# Altium PCB NASCO Alarm Interface.PcbDoc (continued)
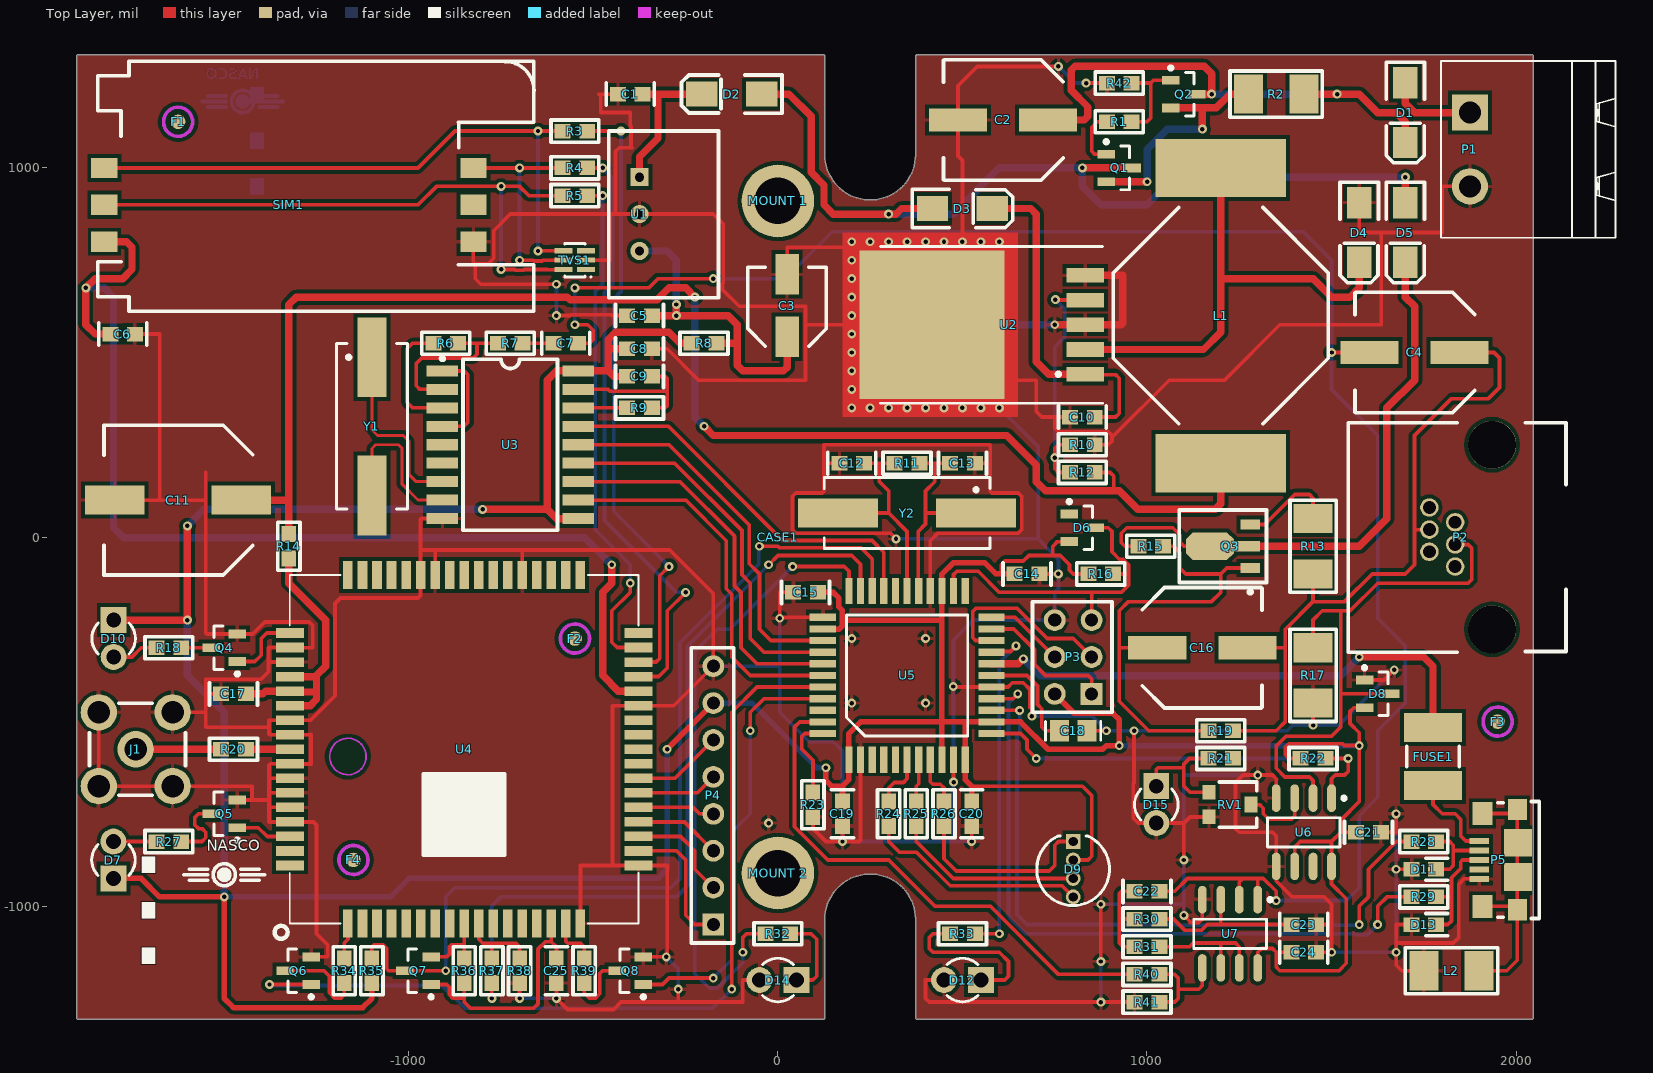
[diagram p0: Top Layer view]
## Nets (pads, with @x,y where several pads share a name; then routed paths per layer and width w, separated by ;. In a path a pad name is that pad's centre, name@x,y a point inside that pad or via, vN(x,y) a via of type N, cw(c..) or ccw(c..) an arc to the next point about the centre after c; other vN are vias at no path point)
4V: C11.1 L1.2 R12.2 R14.1 | length 3976.9
  Top Layer w10: R12.2 900,175 910,165 910,125
  Top Layer w20: C11.1 -1325,100 ; R14.1 -1325,100 ; v1(-225,650) -250,675 -295,675 -327,643 -563.25,643 -570.25,650 -1305,650 -1325,630 -1325,100 ; v1(-200,300) -175,275 620,275 700,195 700,150 725,125 910,125 925,125 975,75 1185,75 1200,90 L1.2
  Bottom Layer w20: v1(-225,650) -225,325 v1(-200,300)
5V: C8.1 C9.1 C14.1 C15.1 C19.1 C20.1 C21.1 C24.1 D6.2 D7.1 D8.2 D9.2 D10.1 P3.2 P4.7 R8.2 R16.2 R22.2 R35.2 U3.10 U3.18 U5.2 U5.14 U5.24 U5.34 U5.42 U5.44 U6.6 U6.8 U7.8 | length 12642.1
  Top Layer w10: 525,-675 825,-675 850,-700 850,-865 840,-875 D9.2 ; 605,-100 605,-75 615,-65 665,-65 680,-50 745,-50 ; D6.2 757.6,-12.4 745,-25 745,-50 ; R16.2 800,-100 790,-90 790,-75 765,-50 745,-50 ; U7.8 1300,-1125 1310,-1115 1340,-1115 1350,-1125 ; C24.1 1350,-1125 ; U6.6 1400,-840 1415,-825 1500,-825 ; R22.2 1385,-600 1375,-590 1375,-570 1385,-560 1530,-560 1535,-565 v1(1575,-565) ; C21.1 1525,-800 ; D8.2 1560,-462.4 1550,-472.4 1550,-505 1575,-530 v1(1575,-565) ; 1350,-1125 1350,-1165 1360,-1175 1520,-1175 1540,-1155 1540,-980 1500,-940 U6.8 1500,-825 ; 1500,-825 1525,-800 ; 1525,-800 1526.81,-798.19 1526.81,-765 1575,-716.81 v1(1575,-565)
  Top Layer w15: D7.1 -1800.22,-925 -1725,-925 -1675,-975 v1(-1500,-975) -1500,-1250 -1475,-1275 -1125,-1275 -1100,-1250 R35.2 ; v1(-300,-575) P4.7 ; C15.1 150,-150 165.18,-165.18 165.18,-189.34 174.58,-198.74 174.58,-225 ; U5.24 122.63,-250 165,-250 174.58,-240.42 174.58,-225 ; v1(130,-625) 130,-660 145,-675 175,-675 ; C19.1 175,-675 ; U5.42 444.49,-500.98 ; C20.1 525,-675 507.48,-657.48 U5.44 507.48,-504.92 511.42,-500.98 ; C14.1 605,-100 590.77,-100 560.77,-70 475,-70 444.49,-100.51 U5.14 444.49,-225.51 ; P3.2 802.97,-477.97 907.97,-477.97 925,-495 v1(925,-565) 890,-565 880,-575 731.82,-575 657.8,-500.98 U5.2 511.42,-500.98 ; 174.58,-225 443.98,-225 444.49,-225.51 ; 175,-675 192.52,-657.48 U5.34 192.52,-532.48 224.02,-500.98 444.49,-500.98 ; 444.49,-500.98 444.49,-225.51 ; 444.49,-500.98 511.42,-500.98
  Top Layer w20: v1(-1600,30) v1(-1600,-225) ; v2(-800,75) -625,75 ; U3.10 -600,50 -625,75 ; C9.1 -445,435 -460,450 ; C8.1 -460,510 ; R8.2 -265,525 -295,555 -440,555 -460,535 -460,510 ; v1(-1600,-225) D10.1 D10.1 -1600.06,-224.94 v1(-1600,-225) ; -625,75 -625,425 -600,450 U3.18 -460,450 ; -460,450 -460,510
  Bottom Layer w15: v1(-1500,-975) -1050,-975 -1000,-925 -325,-925 -300,-900 v1(-300,-575) ; P4.7 -70,-450 105,-625 v1(130,-625) ; v1(925,-565) v1(1575,-565)
  Bottom Layer w20: v1(-1600,-225) -1600,-375 -1500,-475 v1(-1500,-975) ; v1(-1600,30) -1555,75 v2(-800,75)
B1: D9.4 R24.2 | length 603.7
  Top Layer w10: R24.2 300,-825 329.14,-854.14 375.86,-854.14 466.72,-945 770,-945 D9.4
BLUE: R25.1 U5.40 | length 115.9
  Top Layer w10: R25.1 375,-675 381.5,-668.5 U5.40
C2: R5.2 SIM1.C2 TVS1.6 | length 1669
  Top Layer w10: SIM1.C2 -975,900 -925,950 v1(-750,950) -700,950 -675,925 R5.2 ; v1(-750,725) -713.18,725 -711.18,723 -688.82,723 -686.82,725 -625,725 -624.41,724.41 TVS1.6
  Bottom Layer w10: v1(-750,725) v1(-750,950)
C3: R3.2 SIM1.C3 TVS1.4 | length 1677.7
  Top Layer w10: SIM1.C3 -975,1000 -875,1100 v1(-650,1100) R3.2 ; v1(-650,775) -649.41,775.59 TVS1.4
  Bottom Layer w10: v1(-650,775) v1(-650,1100)
C7: R4.2 SIM1.C7 TVS1.5 | length 612.7
  Top Layer w10: SIM1.C7 v1(-700,1000) R4.2 ; v1(-700,750) -663.18,750 -661.18,748 -638.82,748 -636.82,750 TVS1.5
  Bottom Layer w10: v1(-700,750) v1(-700,1000)
D+: R29.2 U5.4 | length 1873.9
  Top Layer w10: U5.4 637.01,-437.99 v1(650,-425) ; v1(1625,-1050) 1625,-1000 1650,-975 R29.2
  Bottom Layer w10: v1(650,-425) 625,-450 625,-1025 628,-1028 628,-1031.28 671.72,-1075 1561.82,-1075 1563.82,-1077 1598,-1077 v1(1625,-1050)
D-: R28.2 U5.3 | length 1887.6
  Top Layer w10: U5.3 654.49,-469.49 v1(655,-470) ; v1(1575,-1050) 1575,-1000 1600,-975 1600,-900 1675,-825 R28.2
  Bottom Layer w10: v1(655,-470) 650,-470 655,-475 655,-531.82 648,-538.82 648,-1023 675,-1050 1086.82,-1050 1088.82,-1052 1573,-1052 v1(1575,-1050)
D?: D9.3 R25.2 | length 508
  Top Layer w10: R25.2 375,-825 475,-925 D9.3
DTMF_0: U3.11 U5.28 | length 1035.1
  Top Layer w10: U3.11 -250,100 -140,-10 -140,-140 -125,-155 -125,-325 -75,-375 U5.28
DTMF_1: U3.12 U5.27 | length 1034
  Top Layer w10: U3.12 -265,150 -117.5,2.5 -117.5,-132.5 -100,-150 -100,-300 -56.5,-343.5 U5.27
DTMF_2: U3.13 U5.26 | length 1032.8
  Top Layer w10: U3.13 -280,200 -97.5,17.5 -97.5,-102.5 -75,-125 -75,-275 -37.99,-312.01 U5.26
DTMF_3: U3.14 U5.25 | length 1031.7
  Top Layer w10: U3.14 -295,250 -77.5,32.5 -77.5,-72.5 -50,-100 -50,-250 -19.49,-280.51 U5.25
GND: C1.2 C2.2 C3.2 C5.2 C6.2 C8.2 C10.2 C11.2 C12.2 C13.2 C14.2 C15.2 C17.2 C18.2 C19.2 C20.2 C21.2 C23.2 C24.2 C25.2 D4.1 D8.1 D11.1 D12.2 D13.1 D14.2 D15.2 J1.2 L2.2 P1.2 P3.6 P4.8 P5.5 Q4.2 Q5.2 Q6.2 Q8.2 R10.1 R17.1 R23.1 R38.2 R41.1 R42.1 RV1.3 SIM1.C5 TVS1.2 U1.2 U2.3 U2.5 U2.6 U3.9 U4.17 U4.18 U4.29 U4.39 U4.45 U4.46 U4.53 U4.54 U4.58 U4.59 U4.61 U4.62 U4.63 U4.64 U4.65 U5.5 U5.15 U5.23 U5.35 U5.43 U6.4 U6.5 U7.4 | length 28632.5
  Top Layer w10: J1.2@-1840,-475 -1840,-675 -1640,-675 -1425,-675 -1425,-712.6 ; C11.2 -1675,100 ; C6.2 -1675,550 -1675,100 ; J1.2@-1640,-475 -1555,-475 ; -1550,175 -1550,100 ; C17.2 -1550,-425 ; Q5.2 -1425,-712.6 ; -1376.26,-732.48 U4.64 ; U4.63 -1375.63,-693.11 -1378.74,-690 ; U4.62 -1378.74,-653.74 ; U4.54 -1378.78,-338.78 -1380,-340 ; Q6.2 -1222.6,-1137.6 -1220,-1135 -1220,-1105 -1250,-1075 -1250,-780 -1258.15,-771.85 U4.65 -1378.15,-771.85 -1378.74,-771.26 -1378.74,-710 ; U4.45 -928.74,-36.26 -930,-35 ; U3.9 -966.22,50 -968.11,48.11 -968.11,-38.11 ; SIM1.C5 -825,745 -820,740 ; v1(-700,-1250) R38.2 ; U4.39 -692.51,-37.51 -695.02,-35 ; C25.2 v1(-600,-1250) -570,-1280 -445,-1280 -425,-1260 -270,-1260 ; v1(-600,600) -563.18,600 -561.18,602 -452,602 -450,600 C5.2 ; v1(-600,685) -805,685 -820,700 -820,740 ; U4.17 -535.03,-890.03 -534.96,-889.96 -450,-889.96 ; TVS1.2 -455,750 -455,870 ; C1.2 -485,1200 -480,1195 -480,1150 -400,1150 -400,1115 -398,1113 -398,1058 -395,1055 -430,1055 -440,1045 -440,875 ; Q8.2 v1(-302.4,-1137.6) -300,-1135.2 -300,-890 U4.18 U4.18 -450,-889.96 ; C8.2 -300,510 -215,425 75,425 75,575 ; v1(-270,-1225) -270,-1260 ; D14.2@-45,-1200 -95,-1200 -95,-1260 -270,-1260 ; C3.2 25,785 175,785 ; C15.2 5,-150 v1(5,-220) 7.48,-217.52 U5.23 ; R23.1 95,-790 130,-825 v1(175,-825) ; C12.2 125,200 ; C19.2 v1(175,-825) ; U5.35 224.02,-820.98 220,-825 v1(175,-825) ; v1(320,-5) 304.37,10.63 48.51,10.63 39.72,19.42 39.72,110.58 48.51,119.37 120,119.37 125,124.37 125,200 ; U5.15 412.99,-10 433.62,10.63 651.49,10.63 660.28,19.42 660.28,110.58 651.49,119.37 580,119.37 575,124.37 575,200 ; U2.6 75,575 ; D12.2@455,-1200 400,-1200 400,-1250 410,-1260 v1(875,-1260) R41.1 ; v2(475,-405) 476.5,-406.5 U5.5 623.5,-406.5 635,-395 665,-395 682,-412 682,-460.28 688,-466.28 v1(688,-485.08) ; v1(475.98,-664.02) U5.43 ; v1(500,800) 500,1020 487.95,1032.05 C2.2 487.95,1222.95 540,1275 v1(760,1275) ; v1(525,-825) C20.2 ; C13.2 575,200 ; 625,425 700,425 700,340 715,325 755,325 ; C14.2 v1(760,-100) ; C10.2 755,325 ; v1(835,1230) R42.1 ; C18.2 v1(890,-525) ; R10.1 895,250 905,260 905,275 ; v1(875,-1150) v1(875,-995) ; 930,712.72 933.86,708.86 ; 963.07,-666.93 963.07,-761.93 976.14,-775 D15.2 ; 965,-666.93 v1(965,-525) ; D15.2 D15.2 ; v1(1100,-1025) 1120,-1045 1140,-1045 1150,-1035 U7.4 ; v1(1100,-875) 1100,-775 ; RV1.3 1116.54,-758.46 1100,-775 ; U6.4 1350,-655 1340,-645 v1(1300,-645) 1260,-645 1240,-665 1240,-790 1250,-800 1340,-800 1350,-810 U6.5 1350,-931.72 1393.28,-975 1480,-975 1500,-995 1500,-1050 ; v1(1450,-510) R17.1 ; C24.2 v1(1500,-1125) 1500,-1050 ; C23.2 1500,-1050 ; D4.1 1575,825 1635,825 ; D8.1 1642.4,-387.6 v1(1670,-360) ; C21.2 1675,-800 v1(1675,-750) ; v1(1675,-900) D11.1 ; D13.1 1675,-1050 1675,-1100 ; L2.2 1690,-1175 1675,-1160 v1(1675,-1125) 1675,-1100 ; P1.2 1800,950 1800,825 1635,825 ; P5.5 1858.82,-926.18 1845,-940 1845,-1085 1830,-1100 1675,-1100 ; -1675,100 -1550,100 ; -1550,-425 -1550,-515 -1378.74,-515 ; -1550,-425 -1550,-385 -1400,-385 -1380,-365 -1380,-340 ; -1550,100 -1550,-260 -1547.4,-262.6 Q4.2 -1422.6,-262.6 -1390,-230 -1270,-230 -1260,-240 -1260,-300 -1321.85,-300 U4.53 -1379.41,-299.41 -1380,-300 -1380,-340 ; -1425,-712.6 -1381.34,-712.6 -1378.74,-710 ; -1378.74,-710 -1378.74,-690 ; -1378.74,-690 -1378.74,-653.74 ; -1378.74,-653.74 -1378.74,-618.11 -1375,-614.37 U4.61 -1321.81,-615 -1265,-615 -1265,-535 -1265.63,-535.63 U4.59 -1376.85,-535.63 -1378.74,-533.74 -1378.74,-515 ; -1378.74,-515 -1378.74,-496.26 U4.58 -1266.26,-496.26 -1200,-430 -1200,-180 -1185,-165 -975,-165 -968.11,-158.11 U4.46 -968.11,-38.11 ; -968.11,-38.11 -965,-35 -930,-35 ; -930,-35 -695.02,-35 ; -820,740 -785,740 -770,755 -770,830 -725,875 -440,875 ; -695.02,-35 -293.28,-35 -175,-153.28 P4.8 -281.89,-456.89 U4.29 -448.11,-456.89 -448.11,-888.07 -450,-889.96 ; -440,875 U1.2 -175,875 -148,848 -148,688.82 -150,686.82 -150,670 -105,625 75,625 75,575 ; 125,200 125,250 575,250 575,200 ; 755,325 750,320 750,295 760,285 895,285 905,275 ; 905,275 910,275 1060,425 1210,425 1360,575 1635,575 1635,825 ; D15.2 1100,-775
  Top Layer w20: v1(750,575) U2.3 930,575 933.86,578.86 933.86,708.86 U2.5
  Bottom Layer w10: v1(-700,-1250) v1(-600,-1250) ; v1(-600,600) v1(-600,685) ; v1(-302.4,-1137.6) -270,-1170 v1(-270,-1225) ; P4.8 5,-350 ; v1(5,-220) 5,-350 ; v1(320,-5) 705,-5 ; v1(525,-825) 485,-825 ; v1(600,350) 705,245 705,-5 ; v1(688,-485.08) 850.08,-485.08 v1(890,-525) v1(965,-525) 1380,-525 1395,-510 v1(1450,-510) 1520,-510 v1(1670,-360) ; v1(760,1275) 805,1230 v1(835,1230) ; v1(875,-1260) v1(875,-1150) ; v1(875,-995) 1100,-995 ; v1(1100,-1025) 1100,-995 ; v1(1300,-645) 1100,-645 v1(1100,-875) 1100,-995 ; v1(1500,-1125) v1(1675,-1125) v1(1675,-900) v1(1675,-750) ; 5,-350 5,-475 85,-555 150,-555 175,-580 v1(175,-825) 485,-825 ; 485,-825 475.98,-815.98 v1(475.98,-664.02) 475.98,-279.02 530,-225 P3.6 750,-150 760,-140 v1(760,-100) 760,-60 705,-5
  Bottom Layer w20: v1(600,350) 600,575 ; v1(600,800) 600,575 ; v1(750,575) 600,575
  other v1: -25,-775 200,-450 400,-450 200,-275 400,-275 200,350 250,350 300,350 350,350 400,350 450,350 500,350 550,350 200,400 200,450 200,500 200,550 200,600 200,650 200,700 200,750 200,800 250,800 300,800 350,800 400,800 450,800 550,800
GREEN: R24.1 U5.39 | length 148.5
  Top Layer w10: R24.1 300,-680 315,-665 340,-665 350,-655 U5.39
HWB: R23.2 U5.33 | length 223.7
  Top Layer w10: R23.2 95,-605 65,-575 65,-540 72.52,-532.48 U5.33
LINE: C4.2 C7.2 C22.2 U7.1 U7.2 | length 5038.4
  Top Layer w10: v1(-550,575) -515,575 -500,560 -500,535 -510,525 C7.2 ; v1(-550,675) -350,675 -325,700 v1(-175,700) ; C22.2 1075,-960 1110,-925 1260,-925 ; U7.2 1250,-935 1260,-925 ; U7.1 1300,-925 ; v1(1350,-985) 1350,-960 1315,-925 1300,-925 ; v1(1500,500) C4.2 ; 1260,-925 1300,-925
  Bottom Layer w10: v1(-550,575) v1(-550,675) ; v1(-175,700) 20,700 147,827 1423,827 1500,750 v1(1500,500) 1500,400 1625,275 1625,-220 1700,-295 1700,-450 1625,-525 1625,-705 1575,-755 1575,-950 1540,-985 v1(1350,-985)
LINE_L: P4.6 U4.24 | length 245.5
  Top Layer w10: U4.24 -278.74,-653.74 P4.6
LINE_R: P4.5 U4.23 | length 220.4
  Top Layer w10: U4.23 -218.11,-693.11 P4.5
MIC_N: P4.2 U4.20 | length 289.3
  Top Layer w10: U4.20 -263.78,-811.22 -225,-850 -225,-900 P4.2
MIC_P: P4.1 U4.19 | length 373.5
  Top Layer w10: U4.19 -376.96,-850 -275,-850 -250,-875 -250,-1025 -225,-1050 P4.1
MISO: P3.4 U5.11 | length 216.2
  Top Layer w10: U5.11 642.52,-217.52 P3.4
MOSI: P3.1 U5.10 | length 391.4
  Top Layer w10: U5.10 639.02,-249.02 695,-305 695,-345 725,-375 840,-375 850,-385 P3.1
NetC2_1: C2.1 D1.2 Q2.3 R2.1 | length 1444.8
  Top Layer w20: C2.1 830,1130 840,1140 840,1165 795,1210 795,1265 805,1275 1155,1275 1175,1255 v1(1175,1200) Q2.3 ; R2.1 v1(1515,1200) 1575,1200 1625,1150 1675,1150 1700,1125 D1.2
  Bottom Layer w20: v1(1175,1200) v1(1515,1200)
NetC3_1: C3.1 C5.1 R8.1 U1.3 | length 926.5
  Top Layer w20: C5.1 v1(-275,600) ; v1(-275,630) v1(-275,600) ; R8.1 -110,525 ; C3.1 25,460 15,450 -95,450 -110,465 -110,525 ; v1(-275,600) -135,600 -110,575 -110,525
  Bottom Layer w20: U1.3 -300,775 -275,750 v1(-275,630) v1(-275,600)
NetC7_1: C7.1 R7.1 | length 83.1
  Top Layer w10: R7.1 C7.1
NetC9_2: C9.2 R9.2 U3.17 | length 405.2
  Top Layer w10: U3.17 -460,400 -455,395 -300,395 ; R9.2 -305,350 -300,355 -300,395 ; C9.2 -305,435 -300,430 -300,395
NetC16_1: C16.1 Q3.3 R15.1 R19.2 | length 1266.6
  Top Layer w10: C16.1 925,-300 ; R15.1 1071.72,-25 1090,-43.28 1090,-85 1105,-100 1200,-100 ; R19.2 1005,-525 925,-445 925,-300 ; Q3.3 1215.94,-84.06 1200,-100 ; 925,-300 925,-200 950,-175 1175,-175 1200,-150 1200,-100
NetC18_1: C18.1 U5.6 | length 305
  Top Layer w10: U5.6 675,-375 703.51,-403.51 703.51,-453.51 715,-465 715,-515 725,-525 C18.1
NetC22_1: C22.1 R30.1 R31.2 | length 265.8
  Top Layer w10: R31.2 935,-1110 925,-1100 925,-1035 ; R30.1 925,-1035 ; C22.1 930,-960 925,-965 925,-1035
NetC23_1: C23.1 R30.2 U7.3 | length 444.2
  Top Layer w10: R30.2 1071.82,-1035 1101.82,-1065 1148.28,-1065 1163.28,-1050 1200,-1050 ; U7.3 1200,-1050 ; C23.1 1200,-1050
NetD4_2: D4.2 L1.1 U2.2 | length 1306.8
  Top Layer w20: U2.2 1153.07,508.07 1200,555 1200,700 ; L1.1 1200,700 ; D4.2 1575,675 1550,650 1500,650 1450,700 1200,700
NetD7_2: D7.2 R27.2 | length 116.8
  Top Layer w10: D7.2 -1800.22,-825 R27.2
NetD10_2: D10.2 R18.2 | length 126.6
  Top Layer w10: D10.2 -1750.06,-324.94 -1750,-325 -1725,-300 R18.2
NetD12_1: D12.1 R33.2 | length 439.4
  Top Layer w10: R33.2 420,-1075 410,-1085 410,-1115 420,-1125 600,-1125 625,-1150 625,-1190 614.72,-1200.28 D12.1
NetD14_1: D14.1 R32.2 | length 236.9
  Top Layer w10: R32.2 90,-1075 105,-1090 105,-1190 94.72,-1200.28 D14.1
NetD15_1: D15.1 R21.1 RV1.1 | length 329.6
  Top Layer w10: D15.1 1025,-674.66 1025,-630 1030,-625 1100,-625 ; R21.1 1115,-600 1100,-615 1100,-625 ; RV1.1 1116.54,-691.54 1100,-675 1100,-625
NetFUSE1_1: FUSE1.1 P5.1 | length 243.6
  Top Layer w10: FUSE1.1 1775,-725 1800,-750 1835,-750 1850,-765 1850,-810 1863.82,-823.82 P5.1
NetJ1_1: J1.1 R20.2 | length 231.5
  Top Layer w20: J1.1 R20.2
NetL2_1: L2.1 P5.0 | length 704.9
  Top Layer w10: L2.1 1975,-1175 2003.35,-1146.65 2003.35,-1009.84 2003.35,-1005 1998.35,-1000 1909.84,-1000 P5.0@1908.86,-1000.98 ; P5.0@1908.86,-749.02 1999.33,-749.02 2003.35,-745 P5.0@2003.35,-1000
NetQ1_1: Q1.1 R1.2 | length 155.5
  Top Layer w10: Q1.1 857.6,1037.4 850,1045 850,1110 865,1125 R1.2
NetQ1_2: Q1.2 Q2.2 R2.2 | length 654.8
  Top Layer w20: Q1.2 1000.43,962.6 v1(1000.43,962.4) ; Q2.2 1150,1162.6 ; v1(1150,1105) 1150,1162.6 ; R2.2 1224.99,1199.99 1187.6,1162.6 1150,1162.6
  Bottom Layer w20: v1(1000.43,962.4) 1000.43,1050.43 1055,1105 v1(1150,1105)
NetQ2_1: Q2.1 R1.1 R42.2 | length 259.8
  Top Layer w10: R1.1 1000,1125 1010,1135 1010,1230 ; R42.2 1010,1230 ; Q2.1 1017.4,1237.4 1010,1230
NetQ3_1: Q3.1 R13.2 | length 263
  Top Layer w10: Q3.1 1319.05,34.05 1400,115 1440,115 1449.99,105.01 R13.2
NetQ4_3: Q4.3 R18.1 | length 81.1
  Top Layer w10: R18.1 Q4.3
NetQ5_3: Q5.3 R27.1 | length 192.7
  Top Layer w10: R27.1 -1560,-825 -1550,-815 -1550,-800 -1560,-790 -1570,-790 -1580,-780 -1580,-760 -1570,-750 Q5.3
NetQ6_3: Q6.3 R34.1 | length 253.5
  Top Layer w10: Q6.3 -1230,-1175 -1215,-1190 -1215,-1235 -1200,-1250 -1185,-1250 -1175,-1240 R34.1
NetQ7_2: Q7.2 R36.1 U4.9 | length 208.9
  Top Layer w10: Q7.2 -897.6,-1137.6 -890,-1130 -890,-1110 -885,-1105 -850,-1105 ; R36.1 -850,-1105 ; U4.9 -850,-1105
NetQ8_3: Q8.3 R39.1 | length 185.6
  Top Layer w10: R39.1 -525,-1235 -510,-1250 -495,-1250 -482.5,-1237.5 -482.5,-1182.5 -475,-1175 Q8.3
NetR6_1: R6.1 R7.2 U3.2 | length 449.6
  Top Layer w10: U3.2 -970,400 -980,410 -980,470 -965,485 -825,485 -815,495 -815,522.5 -812.5,525 ; R6.1 -812.5,525 ; R7.2 -812.5,525
NetR6_2: R6.2 U3.3 | length 324.9
  Top Layer w10: R6.2 -990,525 -1005,510 -1005,365 -990,350 U3.3
NetR9_1: R9.1 U3.16 | length 132.5
  Top Layer w10: U3.16 R9.1
NetR10_2: R10.2 R12.1 U2.4 | length 677.9
  Top Layer w10: v1(751.93,643.07) 751.93,641.93 U2.4 ; R12.1 760,175 750,185 v1(750,215) 750,240 760,250 R10.2
  Bottom Layer w10: v1(750,215) 750,515 777,542 777,618 v1(751.93,643.07)
NetR31_1: R31.1 U7.6 U7.7 | length 349.9
  Top Layer w10: R31.1 1115,-1110 1125,-1100 1200,-1100 ; U7.6 1200,-1100 ; U7.7 1250,-1110 1240,-1100 1200,-1100
NetR34_2: R34.2 U4.1 | length 98.3
  Top Layer w10: R34.2 -1175,-1100 -1164.96,-1089.96 U4.1
NetR37_2: R37.2 R38.1 U4.10 | length 233.7
  Top Layer w10: U4.10 -810.62,-1089.38 -799.56,-1100.44 -775,-1100.44 ; R37.2 -775,-1100.44 ; R38.1 -700,-1110 -709.56,-1100.44 -775,-1100.44
NetR39_2: R39.2 U4.16 | length 135.1
  Top Layer w10: U4.16 -574.4,-1095.6 -569.56,-1100.44 -534.56,-1100.44 -525,-1110 R39.2
NetR40_2: R40.2 R41.2 U7.5 | length 283
  Top Layer w10: R41.2 1075,-1260 1085,-1250 1085,-1225 ; R40.2 1075,-1185 1085,-1195 1085,-1225 ; U7.5 1150,-1215 1140,-1225 1085,-1225
NetU3_1: U3.1 U3.4 | length 276.4
  Top Layer w10: U3.4 -850,300 -840,310 -840,440 -850,450 U3.1
NetU3_7: U3.7 Y1.1 | length 498.7
  Top Layer w8: Y1.1 -1100,290 -1085,275 -1015,275 -1000,260 -1000,170 -980,150 U3.7
NetU3_8: U3.8 Y1.2 | length 441.1
  Top Layer w8: Y1.2 -1100,240 -1090,250 -1028,250 -1018,240 -1018,143 -975,100 U3.8
O\F\F\H\O\O\K\: R22.1 U5.1 U6.1 | length 1211.6
  Top Layer w10: U5.1 657.48,-532.48 675,-550 675,-575 v1(700,-600) ; R22.1 v1(1545,-600) 1545,-635 1535,-645 1510,-645 1500,-655 U6.1
  Bottom Layer w10: v1(700,-600) v1(1545,-600)
R1: D9.1 R26.2 | length 495.9
  Top Layer w10: R26.2@450,-805 450,-871.72 483.29,-905 680,-905 735,-905 750,-890 750,-835 760,-825 D9.1
R\E\S\E\T\: D6.3 P3.5 R16.1 U5.13 | length 889.7
  Top Layer w10: U5.13 475.98,-101.52 485,-92.5 542.5,-92.5 600,-150 850,-150 ; P3.5 850,-150 ; D6.3 895,25 905,15 905,-40 925,-60 935,-60 950,-75 950,-100 ; R16.1 950,-100 ; 850,-150 930,-150 950,-130 950,-100
RED: R26.1 U5.41 | length 140.2
  Top Layer w10: U5.41 412.99,-662.99 420,-670 440,-670 450,-680 R26.1
REF: RV1.2 U6.3 | length 194.9
  Top Layer w10: RV1.2 1305,-725 1315,-735 1315,-750 1330,-765 1390,-765 1400,-755 U6.3
RF_ANT: R20.1 U4.60 | length 119.1
  Top Layer w20: R20.1 U4.60
RING(-): D8.3 P2.4 R17.2 U6.2 | length 1553.8
  Top Layer w10: U6.2 1450,-660 1440,-650 1373.28,-650 1350,-626.72 1350,-565 1351.72,-565 1376.72,-540 1500,-540 1525,-515 1525,-425 ; R17.2 1449.99,-225.01 1475,-200 1525,-200 ; D8.3 1525,-425 ; P2.4 1870,-20 1880,-30 1880,-115 1870,-125 1625,-125 1550,-200 1525,-200 ; 1525,-425 1525,-200
RXLED: R33.1 U5.8 | length 942.3
  Top Layer w10: R33.1@530,-1075 v1(600,-1075) ; U5.8 580.36,-310 630,-310 v1(645,-295)
  Bottom Layer w10: v1(600,-1075) 600,-340 v1(645,-295)
SCK: P3.3 U5.9 | length 505.6
  Top Layer w10: U5.9 535.51,-280.51 527.92,-272.92 527.92,-201.46 536.7,-192.68 647.68,-192.68 730,-275 800,-275 P3.3
SIM900_NETLIGHT: Q4.1 U4.52 | length 200.5
  Top Layer w10: Q4.1 -1417.4,-337.4 -1400,-320 -1400,-275 -1385.04,-260.04 U4.52
SIM900_P\W\R\: Q6.1 U5.29 | length 2443.8
  Top Layer w10: v1(-1377.4,-1212.4) Q6.1 ; v1(-125,-1225) -125,-475 -56.5,-406.5 U5.29
  Bottom Layer w10: v1(-1377.4,-1212.4) -1380,-1215 -910,-1215 -848,-1277 -177,-1277 v1(-125,-1225)
SIM900_R\E\S\E\T\: Q8.1 U5.30 | length 1170.2
  Top Layer w10: Q8.1 -312.4,-1212.4 -295,-1195 v1(-175,-1195) ; v1(-75,-525) -75,-475 -37.99,-437.99 U5.30
  Bottom Layer w10: v1(-175,-1195) -125,-1145 -125,-800 -75,-750 v1(-75,-525)
SIM900_RXD: R37.1 U5.21 | length 2147.4
  Top Layer w10: v1(-775,-1250) R37.1 ; v1(-25,-75) 0,-50 200,-50 224.02,-74.02 U5.21
  Bottom Layer w10: v1(-775,-1250) -775,-1000 -750,-975 -275,-975 -245,-945 -245,-295 v1(-25,-75)
SIM900_STATUS: Q5.1 U4.66 | length 152
  Top Layer w10: Q5.1 -1407.6,-787.4 -1383.78,-811.22 U4.66
SIM900_TXD: Q7.3 R35.1 U5.20 | length 2546.3
  Top Layer w10: R35.1 -1100,-1110 -1095,-1105 -1070,-1105 -1060,-1115 -1060,-1170 -1055,-1175 Q7.3 v1(-900,-1175) ; v1(-50,-25) 0,-25 4.37,-29.37 225,-29.37 255.51,-59.88 U5.20
  Bottom Layer w10: v1(-900,-1175) -900,-975 -875,-950 -290,-950 -265,-925 -265,-286.72 -52,-73.72 -52,-27 v1(-50,-25)
SIM_CLK: R3.1 U4.32 | length 1662.8
  Top Layer w10: R3.1 v1(-425,1100) ; U4.32 -330,-338.78 -320,-328.78 -320,-105 v1(-295,-80)
  Bottom Layer w10: v1(-425,1100) -425,665 -445,645 -445,70 v1(-295,-80)
SIM_DATA: R4.1 U4.31 | length 1630.5
  Top Layer w10: R4.1 v1(-475,1000) ; U4.31 -323.15,-378.15 -300,-355 -300,-200 v1(-250,-150)
  Bottom Layer w10: v1(-475,1000) -448,973 -448,683.72 -470,661.72 -470,45 -275,-150 v1(-250,-150)
SIM_RST: R5.1 U4.33 | length 1398.3
  Top Layer w10: R5.1 v1(-475,925) ; v1(-400,-125) -400,-150 -450,-200 -450,-285 -435.59,-299.41 U4.33
  Bottom Layer w10: v1(-475,925) -475,685 -495,665 -495,20 -400,-75 v1(-400,-125)
SIM_VDD: C6.1 SIM1.C1 U4.30 | length 2991
  Top Layer w20: SIM1.C1 -1765,800 -1750,785 -1750,725 -1775,700 -1850,700 v1(-1875,675) -1875,575 -1850,550 C6.1 ; v1(-450,-75) -450,-125 -475,-150 -475,-375 -432.48,-417.52 U4.30
  Bottom Layer w20: v1(-1875,675) -1825,675 -1800,650 -1800,25 -1773,-2 -523,-2 v1(-450,-75)
SPK_N: P4.4 U4.22 | length 209.8
  Top Layer w10: U4.22 -230.02,-732.48 -212.5,-750 P4.4
SPK_P: P4.3 U4.21 | length 234.9
  Top Layer w10: U4.21 -253.15,-771.85 P4.3
STD: U3.15 U5.19 | length 1074.6
  Top Layer w10: U3.15 -296.72,300 12.66,-9.37 255,-9.37 287.01,-41.38 U5.19
TIP(+): C4.1 C16.2 P2.3 R13.1 R19.1 | length 1870.3
  Top Layer w10: R19.1 1350,-525 1375,-500 1375,-300 ; C16.2 1375,-300 ; R13.1 1450,-175 ; P2.3 1725,20 ; C4.1 1940,500 1955,485 1955,405 1925,375 1825,375 1725,275 1725,20 ; 1375,-300 1375,-250 1450,-175 ; 1450,-175 1535,-175 1610,-100 1700,-100 1725,-75 1725,20
TONE: R40.1 U5.32 | length 1439.7
  Top Layer w10: U5.32 59.02,-500.98 45,-515 45,-785 135,-875 300,-875 425,-1000 575,-1000 760,-1185 R40.1
TXLED: R32.1 U5.22 | length 1753.7
  Top Layer w10: v1(-95,-1125) -95,-1085 -85,-1075 R32.1 ; v1(40,-80) 180,-80 192.52,-92.52 U5.22
  Bottom Layer w10: v1(-95,-1125) -95,-1153.18 -163.82,-1222 -186.18,-1222 -225,-1183.18 -225,-310 -165,-250 -130,-250 v1(40,-80)
USB+: D13.2 P5.3 R29.1 | length 309.6
  Top Layer w10: D13.2 1815,-1050 1825,-1040 1825,-975 ; R29.1 1825,-975 ; P5.3 1855,-875 1850,-880 1850,-898.28 1825,-923.28 1825,-975
USB-: D11.2 P5.2 R28.1 | length 226.6
  Top Layer w10: D11.2 1820,-900 1830,-890 1830,-850 ; R28.1 1820,-825 1830,-835 1830,-850 ; P5.2 1830.59,-849.41 1830,-850
V+: D2.1 D3.1 D5.1 Q1.3 | length 2481.9
  Top Layer w20: D2.1 30,1200 90,1140 90,987.91 125,952.91 125,900 150,875 v1(300,875) 320,875 335,890 D3.1 ; v1(825,1000) Q1.3 ; D5.1 v1(1700,975)
  Bottom Layer w20: v1(300,875) 475,875 600,1000 v1(825,1000) 825,950 875,900 1000,900 1075,975 v1(1700,975)
V+1: C10.1 D3.2 U2.1 | length 934.5
  Top Layer w10: U2.1 833.82,440 915,440 925,430 925,335 915,325 C10.1
  Top Layer w20: D3.2 685,890 700,875 700,475 733.86,441.14 U2.1
V+2: C1.1 D2.2 U1.1 | length 406.2
  Top Layer w20: U1.1 -375,1030 -325,1080 -325,1200 ; C1.1 -325,1200 ; D2.2 -325,1200
V_LINE: D5.2 Q3.2 R15.2 | length 1600.8
  Top Layer w10: R15.2 940,-25 930,-15 930,10 945,25 1070,25 1090,5 1090,-15 1100,-25 Q3.2@1270.77,-25
  Top Layer w20: Q3.2@1270.77,-25 1575,-25 1650,50 1650,350 1725,425 1725,625 1700,650 D5.2
VBAT: C17.1 R14.2 U4.55 U4.56 U4.57 | length 782.9
  Top Layer w20: C17.1 -1395,-425 -1387.52,-417.52 U4.56 -1319.96,-420 -1250,-420 ; R14.2 -1325,-125 -1225,-225 -1225,-350 -1250,-375 ; U4.57 -1266.89,-456.89 -1250,-440 -1250,-420 ; U4.55 -1251.85,-378.15 -1251.85,-376.85 -1250,-375 ; -1250,-420 -1250,-375
VBUS: FUSE1.2 U5.7 | length 1418.6
  Top Layer w20: U5.7 651.5,-343.5 v1(665,-330) ; v1(1575,-325) 1750,-325 1775,-350 FUSE1.2
  Bottom Layer w20: v1(665,-330) 710.47,-375.47 1524.53,-375.47 v1(1575,-325)
VDD_EXT: C25.1 Q7.1 R36.2 U4.15 | length 673.3
  Top Layer w10: Q7.1 -897.6,-1212.4 -890,-1220 -890,-1240 -880,-1250 -850,-1250 ; R36.2 -850,-1250 ; U4.15 -613.77,-1096.23 ; C25.1 -600,-1110 -613.77,-1096.23 ; -850,-1250 -850,-1260 -833,-1277 -662,-1277 -650,-1265 -650,-1116.52 -629.71,-1096.23 -613.77,-1096.23
VIN: D1.1 P1.1 | length 241.4
  Top Layer w20: D1.1 1700,1175 1725,1150 P1.1
XTAL1: C12.1 R11.2 U5.17 Y2.2 | length 597.8
  Top Layer w10: Y2.2 300,65 ; C12.1 275,200 ; R11.2 275,200 ; U5.17 350,15 300,65 ; 275,200 275,150 300,125 300,65
XTAL2: C13.1 R11.1 U5.16 Y2.1 | length 586
  Top Layer w10: U5.16 380,-145.15 380,15 400,35 400,65 ; R11.1 425,200 ; C13.1 425,200 ; Y2.1 400,65 ; 400,65 400,125 425,150 425,200
pads on no net: "MOUNT 1.0" "MOUNT 2.0" D6.1 F1.0 F2.0 F3.0 F4.0 P2.0 P2.1 P2.2 P2.5 P2.6 P5.4 R21.2 SIM1.C6 TVS1.1 TVS1.3 U3.5 U3.6 U4.2 U4.3 U4.4 U4.5 U4.6 U4.7 U4.8 U4.11 U4.12 U4.13 U4.14 U4.25 U4.26 U4.27 U4.28 U4.34 U4.35 U4.36 U4.37 U4.38 U4.40 U4.41 U4.42 U4.43 U4.44 U4.47 U4.48 U4.49 U4.50 U4.51 U4.67 U4.68 U5.12 U5.18 U5.31 U5.36 U5.37 U5.38 U6.7
copper on no net: | length 581.3
  Bottom Layer w10: -1560,1180 -1495,1180 ; -1545,1165 -1495,1165 ; -1545,1195 -1495,1195 ; -1405,1165 -1355,1165 ; -1405,1180 -1340,1180 ; -1405,1195 -1355,1195 ; -1420,1180 ccw(c-1450,1180) -1420,1180
  Bottom Layer w20: -1440,1180 ccw(c-1450,1180) -1440,1180

## Polygon pours and split planes (outlines as drawn)
GND on Top Layer "GND" (solid, remove dead copper, pour order 2): -1895.01,-1307 122.12,-1307 ccw(c122.12,-1301.99) 127.13,-1301.99 127.13,-1040 ccw(c122.12,-1040) 126.76,-1038.1 ccw(c122.12,-1036.19) 127.13,-1036.19 cw(c250.07,-1036.19) 373.01,-1036.19 ccw(c378.02,-1036.19) 373.01,-1036.22 373.01,-1301.99 ccw(c378.02,-1301.99) 378.02,-1307 2042,-1307 ccw(c2042,-1301.99) 2047.02,-1301.99 2047.02,1301.99 ccw(c2042,1301.99) 2042,1307 378.02,1307 ccw(c378.02,1301.99) 374.48,1305.53 cw(c378.02,1301.99) 378.02,1307 374.48,1305.53 ccw(c378.02,1301.99) 373.01,1301.99 cw(c378.02,1301.99) 374.48,1305.53 373.01,1301.99 373.01,1036.19 cw(c250.07,1036.19) 127.13,1036.19 127.13,1301.99 ccw(c122.12,1301.99) 122.12,1307 -1895.01,1307 ccw(c-1895.01,1301.99) -1900.02,1301.99 -1900.02,-1301.99 ccw(c-1895.01,-1301.99)
GND on Bottom Layer "GND" (solid, remove dead copper, pour order 3): -1895.01,-1307 122.12,-1307 ccw(c122.12,-1301.99) 127.13,-1301.99 127.13,-1040 ccw(c122.12,-1040) 126.76,-1038.1 ccw(c122.12,-1036.19) 127.13,-1036.19 cw(c250.07,-1036.19) 373.01,-1036.19 ccw(c378.02,-1036.19) 373.01,-1036.22 373.01,-1301.99 ccw(c378.02,-1301.99) 378.02,-1307 2042,-1307 ccw(c2042,-1301.99) 2047.02,-1301.99 2047.02,1301.99 ccw(c2042,1301.99) 2042,1307 378.02,1307 ccw(c378.02,1301.99) 374.48,1305.53 cw(c378.02,1301.99) 378.02,1307 374.48,1305.53 ccw(c378.02,1301.99) 373.01,1301.99 cw(c378.02,1301.99) 374.48,1305.53 373.01,1301.99 373.01,1036.19 cw(c250.07,1036.19) 127.13,1036.19 127.13,1301.99 ccw(c122.12,1301.99) 122.12,1307 -1895.01,1307 ccw(c-1895.01,1301.99) -1900.02,1301.99 -1900.02,-1301.99 ccw(c-1895.01,-1301.99)

## Other copper
Bottom Layer:
  text "NASCO" at -1405,1230 h50
  text "⋮" at -1230,875 h450

## Silkscreen, mask and mechanical layers (free items; w line width, h text height)
Top Overlay:
  circle w10: c-1500,-915 r30
  circle w20: c-1500,-915 r10
  lines w10: -1610,-915 -1545,-915 ; -1595,-930 -1545,-930 ; -1595,-900 -1545,-900 ; -1455,-930 -1405,-930 ; -1455,-915 -1390,-915 ; -1455,-900 -1405,-900
  text "NASCO" at -1547.43,-860.5 h50
  text "⋮" at -1885,-1210 h450
Bottom Overlay:
  text "⋮" at 1845,515 h1500
  text "http://ludzinc.blogspot.com.au" at -290,-1245 h180 r315
Mechanical 1:
  lines w5: 122.12,-1301.99 -1895.01,-1301.99 -1895.01,1301.99 122.12,1301.99 ; 2027.63,-1301.99 2042,-1301.99 2042,1290 2042,1301.99 2027.63,1301.99
  lines w10: 122.12,-1040 122.12,-1301.99 -1895.01,-1301.99 -1895.01,1301.99 122.12,1301.99 122.12,1032.12 ; 122.12,-1036.19 cw(c250.07,-1036.19) 378.02,-1036.19 378.02,-1301.99 2042,-1301.99 2042,1301.99 378.02,1301.99 ; 122.12,1036.19 ccw(c250.07,1036.19) 378.02,1036.19 378.02,1301.99 ; 378.02,1301.99 378.02,1301.99